# Altium PCB HORNET-1-IPG.PcbDoc (part 4 of 8)
Units mm, origin at the board's own origin, x right, y up, seen from the top; angles counter-clockwise.
Board outline 91.44 x 90.73 mm, 8 copper layers (TOP, AVERT, AHOR, GND, POWER, DVERT, DHOR, BOT), stack 0.686 mm thick; 726 components, 412 nets, 2077 pads, 2674 vias.
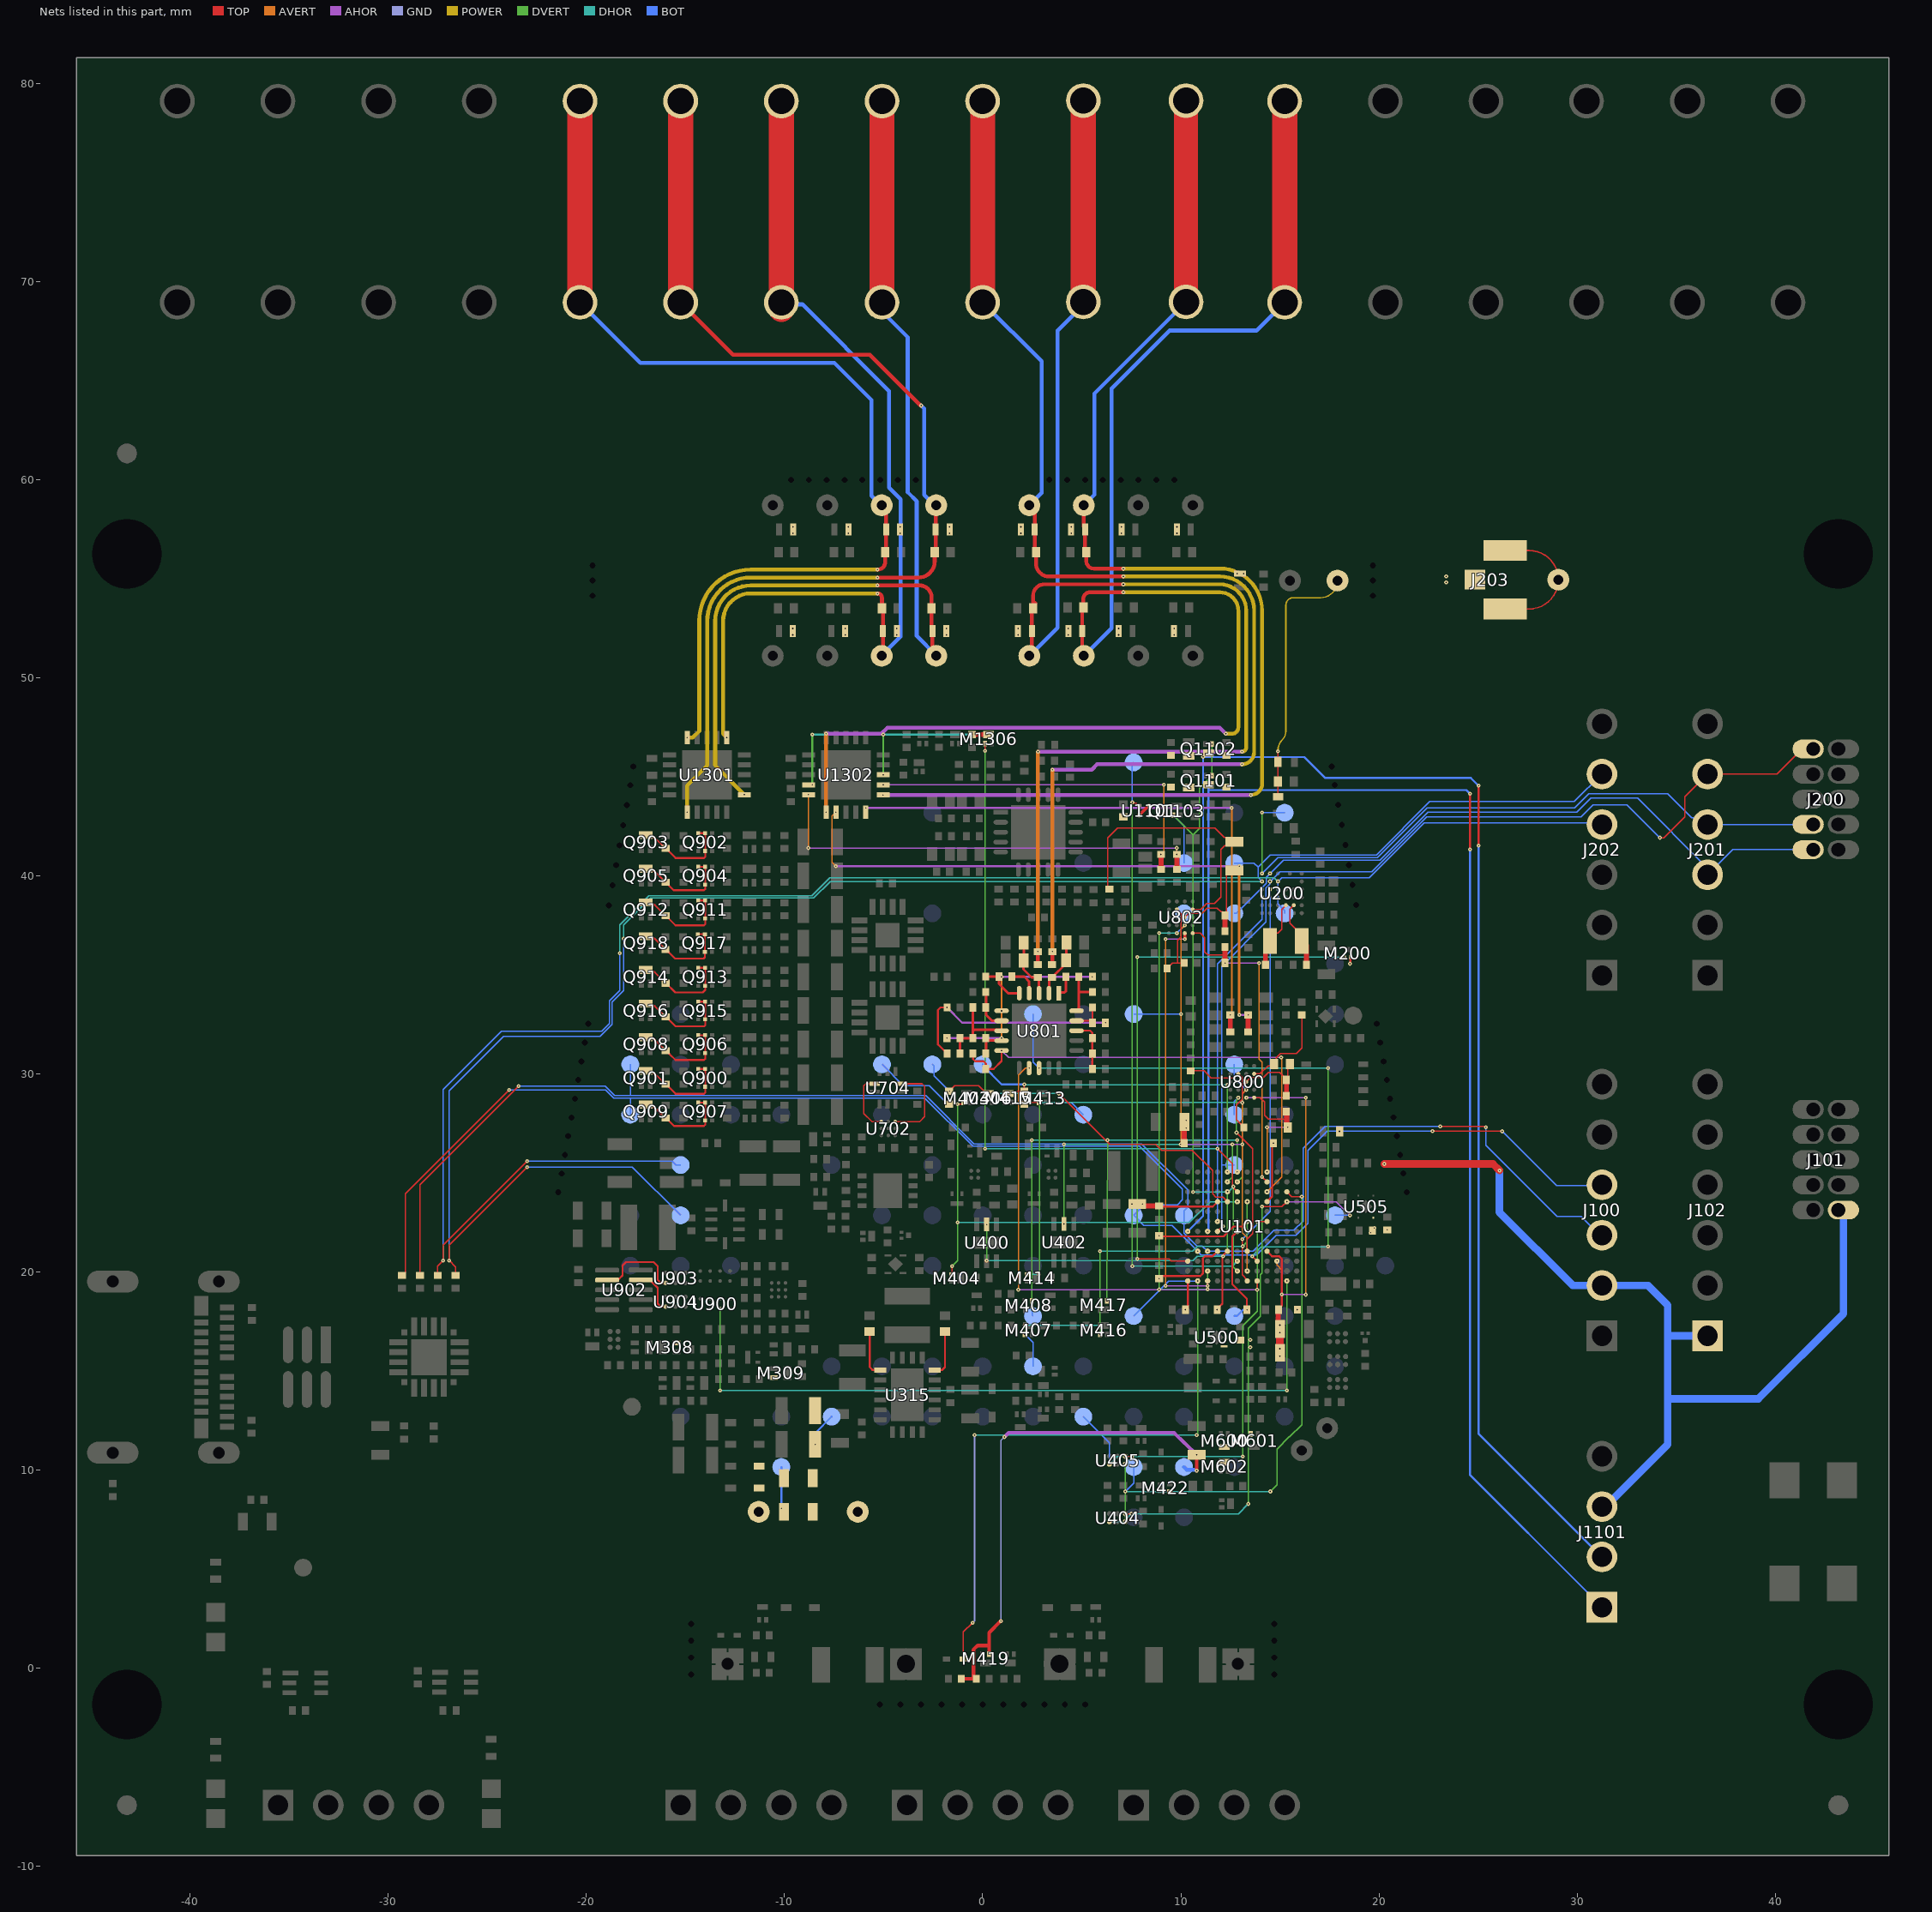
[diagram p10: the nets of this part, all layers, seen from the top]

## Part data (continued)
U501: "Boost, SEPIC Switching Regulator IC Positive Adjustable 1.23V 1 Output 75mA (Switch) SOT-23-5", Manufacturer="Linear Technology", Medical Grade MFR=TBD, Rating="100 mA", Supplier Part Number 1=505-LT1615ES5-1#TRPBFCT-ND, Category=IC, Length (mm)="2.80 ±0.20", Manufacturer Part Number=LT1615ES5-1#TRPBF, Medical Grade MFR PN=TBD, Package Description=TBD, PCB Footprint=TBD, Supplier 1=Digi-Key, Thickness (mm)=1.00, Width (mm)="2.95 ±0.15"
U503: "Digital potentiometer, 256 taps, 100k, I2C, QFN-10", Manufacturer=Renesas, Medical Grade MFR=TBD, Supplier Part Number 1=ISL23315TFRUZ-T7ACT-ND, Category=IC, Length (mm)=2.10, Manufacturer Part Number=ISL23315TFRUZ-T7A, Medical Grade MFR PN=TBD, Package Description=TBD, PCB Footprint=TBD, Rating=TBD, Supplier 1=Digi-Key, Thickness (mm)=0.55, Width (mm)=1.60
U505: "Reset Monitor, 2.63V, Active low, X2SON", Manufacturer="Texas Instruments", Medical Grade MFR=TBD, Rating=N/A, Supplier Part Number 1=296-40754-1-ND, Category=IC, Length (mm)="1.00 ±0.05", Manufacturer Part Number=TPS3831L30DQNR, Medical Grade MFR PN=TBD, Package Description=TBD, PCB Footprint=TBD, Supplier 1=Digi-Key, Thickness (mm)=0.40, Width (mm)="1.00 ±0.05"
U600: "Magnet Sensor, 15 Gauss, ULLGA4, Implant-grade", Manufacturer=NVE, Medical Grade MFR PN=BD020-14E, Package Description=TBD, Rating=N/A, Supplier Part Number 1=391-ADL021-14ECT-ND, Category=IC, Length (mm)=1.10, Manufacturer Part Number=ADL021-14E, Medical Grade MFR=NVE, PCB Footprint=TBD, Supplier 1=Digi-Key, Thickness (mm)=0.40, Width (mm)=1.10
U700 U701: "Multiplexer, 8:1, 0.7 ohms, QFN-16", Manufacturer=Maxim, Medical Grade MFR=TBD, Supplier Part Number 1=MAX4781ETE+TCT-ND, Category=IC, Length (mm)="3.00 ±0.10", Manufacturer Part Number=MAX4781ETE+T, Medical Grade MFR PN=TBD, Package Description=TBD, PCB Footprint=TBD, Rating=TBD, Supplier 1=Digi-Key, Thickness (mm)="0.75 ±0.05", Width (mm)="3.00 ±0.10"
U702: library part TLV9002SIYCKR_B, "Op Amp, Dual, Rail-to-Rail, 1MHz, BGA-9", Manufacturer="Texas Instruments", Medical Grade MFR=TBD, Rating=5.5V, Supplier Part Number 1=595-TLV9002SIYCKR, Category=IC, Length (mm)="0.95 ±0.03", Manufacturer Part Number=TLV9002SIYCKR, Medical Grade MFR PN=TBD, Package Description=TBD, PCB Footprint=TBD, Supplier 1=Mouser, Thickness (mm)=0.33, Width (mm)="0.95 ±0.03"
U703: "Differential Amplifier, 110 MHz, DFN-8", Manufacturer="Analog Devices", Medical Grade MFR=TBD, Supplier Part Number 1=505-AD8137YCPZ-REEL7CT-ND, Category=IC, Length (mm)="3.00 ±0.10", Manufacturer Part Number=AD8137YCPZ-REEL7, Medical Grade MFR PN=TBD, Package Description=TBD, PCB Footprint=TBD, Rating=TBD, Supplier 1=Digi-Key, Thickness (mm)="0.75 ±0.05", Width (mm)="3.00 ±0.10"
U704: "SPDT, 2 Func, 1 Channel, CMOS", Case/Package=VQCCN, Manufacturer="Analog Devices", Max Operating Temperature=85°C, Max Supply Voltage=3.6V, Min Operating Temperature=-40°C, Min Supply Voltage=2.7V, Nominal Supply Voltage=3.3V, On-state Resistance Match-Nom=40mR, On-state Resistance-Max (Ron)=8.8R, Package Shape=Rectangular, Package Style="CHIP CARRIER, VERY THIN PROFILEMeter", Peak Reflow Temperature (Cel)=260°C, Power Supplies=3/3.3V, Supplier Part Number 1=584-ADG772BCPZ-R7, Supply Current-Max (Isup)=1uA, Temperature Grade=INDUSTRIAL, Time @ Peak Reflow Temperature-Max (s)=40s, Category="Interface ICs", Channels=2, ComponentLink1Description=https://datasheet.ciiva.com:443/pdfs/VipMasterIC/IC/ANDI/ANDI-S-A0002823372/ANDI-S-A0002823372-1.pdf?src-supplier=IHS+Markit, ComponentLink1URL=https://datasheet.ciiva.com:443/pdfs/VipMasterIC/IC/ANDI/ANDI-S-A0002823372/ANDI-S-A0002823372-1.pdf?src-supplier=IHS+Markit, ComponentLink2Description=https://datasheet.ciiva.com/16230/adg772-246565-16230035.pdf?src-supplier=Mouser, ComponentLink2URL=https://datasheet.ciiva.com/16230/adg772-246565-16230035.pdf?src-supplier=Mouser, ComponentLink3Description=https://datasheet.ciiva.com/15127/getdatasheetpartid-305178-15127686.pdf?src-supplier=Verical, ComponentLink3URL=https://datasheet.ciiva.com/15127/getdatasheetpartid-305178-15127686.pdf?src-supplier=Verical, ComponentLink4Description=https://datasheet.ciiva.com/2980/adg772-2980261.pdf?src-supplier=Avnet, ComponentLink4URL=https://datasheet.ciiva.com/2980/adg772-2980261.pdf?src-supplier=Avnet, ComponentLink5Description=https://datasheet.ciiva.com/6638/adg772-6638955.pdf?src-supplier=Digi-Key, ComponentLink5URL=https://datasheet.ciiva.com/6638/adg772-6638955.pdf?src-supplier=Digi-Key, ComponentLink6Description=https://datasheet.ciiva.com/6638/adg772-6638957.pdf?src-supplier=Digi-Key, ComponentLink6URL=https://datasheet.ciiva.com/6638/adg772-6638957.pdf?src-supplier=Digi-Key, ComponentLink7Description=https://datasheet.ciiva.com/6638/adg772-6638958.pdf?src-supplier=Digi-Key, ComponentLink7URL=https://datasheet.ciiva.com/6638/adg772-6638958.pdf?src-supplier=Digi-Key, Height - Seated (Max)=0.6mm, JESD-609 Code=e4, Length=1.6mm, Manufacturer Part Number=ADG772BCPZ-REEL7, Moisture Sensitivity Level=1, Number of Channels=1, Off-state Isolation-Nom=73dB, Pins=10, Pricing="1=2,564, 10=2,288, 25=2,22, 100=1,902, 250=1,788, 500=1,61, 1000=1,321 (USD)", Qualification Status="Not Qualified", Reach SVHC Compliant=Yes, RoHS=Yes, RoHS Compliant=Yes, Stock=2157, Supplier="Arrow Electronics", Supplier 1=Mouser, Supplier Part Number=ADG772BCPZ-REEL7, Surface Mount=Yes, Switch-off Time-Max=9.5ns, Switch-on Time-Max=12.5ns, Switching=BREAK-BEFORE-MAKEV, Technology=CMOS, Terminal Finish=Nickel, Terminal Form="No Lead", Terminal Pitch=0.4mm, Terminal Position=QUAD, Throw Configuration=SPDT, Width=1.3mm
U800 U802: "Analog front end, ECG, RLD amp, BGA-20", Current supply=50uA, Manufacturer="Analog Devices", Medical Grade MFR=TBD, Supplier Part Number 1=505-AD8233ACBZ-R7CT-ND, Voltage supply=1.7-3.5V, Bandwidth=1kHz, Category=IC, CMRR=86dB, Gain=40dB, Length (mm)="2.04 ±0.04", Manufacturer Part Number=AD8233ACBZ-R7, Medical Grade MFR PN=TBD, Package Description=TBD, PCB Footprint=TBD, Rating=TBD, Supplier 1=Digi-Key, Thickness (mm)="0.50 ±0.06", Width (mm)="1.71 ±0.04"
U801 U803: "Analog Circuit, 1 Func, 1 Channel", Case/Package=HVQCCN, Current supply=170uA, Manufacturer="Analog Devices", Max Operating Temperature=85°C, Max Supply Voltage=3.5V, Min Operating Temperature=-40°C, Min Supply Voltage=2V, Nominal Supply Voltage=3V, Package Shape=Square, Package Style="CHIP CARRIER, HEAT SINK/SLUG, VERY THIN PROFILEMeter", Supplier Part Number=584-AD8232ACPZ-R7, Temperature Grade=INDUSTRIAL, Voltage supply=2-3.5V, Bandwidth=2kHz, Category="Amplifiers - Op Amps, Buffer, Instrumentation", Channels=1, CMRR=80dB, ComponentLink1Description=https://datasheet.ciiva.com:443/pdfs/VipMasterIC/IC/ANDI/ANDI-S-A0005264682/ANDI-S-A0005264682-1.pdf?src-supplier=IHS+Markit, ComponentLink1URL=https://datasheet.ciiva.com:443/pdfs/VipMasterIC/IC/ANDI/ANDI-S-A0005264682/ANDI-S-A0005264682-1.pdf?src-supplier=IHS+Markit, ComponentLink2Description=https://datasheet.ciiva.com/6579/ad8232-6579751.pdf?src-supplier=Digi-Key, ComponentLink2URL=https://datasheet.ciiva.com/6579/ad8232-6579751.pdf?src-supplier=Digi-Key, ComponentLink3Description=https://datasheet.ciiva.com/6579/ad8232-6579754.pdf?src-supplier=Digi-Key, ComponentLink3URL=https://datasheet.ciiva.com/6579/ad8232-6579754.pdf?src-supplier=Digi-Key, ComponentLink4Description=https://datasheet.ciiva.com/6579/ad8232-6579770.pdf?src-supplier=Digi-Key, ComponentLink4URL=https://datasheet.ciiva.com/6579/ad8232-6579770.pdf?src-supplier=Digi-Key, Gain=100V/V, Height - Seated (Max)=0.8mm, JESD-30 Code=S-XQCC-N20, Length=4mm, Manufacturer Part Number=AD8232ACPZ-R7, Pins=20, Pricing="1=4,71, 10=4,07, 50=4,07, 100=3,57, 1000=2,53, 10000=2,37 (USD)", Reach SVHC Compliant=Yes, RoHS=Yes, RoHS Compliant=Yes, Stock=3930, Supplier=Mouser, Supplier 1=Mouser, Supplier Part Number 1=584-AD8232ACPZ-R7, Surface Mount=Yes, Terminal Form="No Lead", Terminal Pitch=0.5mm, Terminal Position=QUAD, Throw Configuration="ANALOG CIRCUIT", Width=4mm
U900: "Monostable, RC set, dual triggers, BGA-8", Manufacturer="Texas Instruments", Medical Grade MFR=TBD, Supplier Part Number 1=296-21058-1-ND, Category=IC, Length (mm)="1.89 ±0.03", Manufacturer Part Number=SN74LVC1G123YZPR, Medical Grade MFR PN=TBD, Package Description=TBD, PCB Footprint=TBD, Rating=TBD, Supplier 1=Digi-Key, Thickness (mm)=0.50, Width (mm)="0.89 ±0.03"
U901: "AND gate, Dual 2-input, BGA-8", Manufacturer="Texas Instruments", Medical Grade MFR=TBD, Supplier Part Number 1=296-14371-1-ND, Category=IC, Length (mm)="1.89 ±0.03", Manufacturer Part Number=SN74LVC2G08YZPR, Medical Grade MFR PN=TBD, Package Description=TBD, PCB Footprint=TBD, Rating=TBD, Supplier 1=Digi-Key, Thickness (mm)=0.50, Width (mm)="0.89 ±0.03"
U902: "DAC, 16-bit, Dual channel, SPI/I2C, WSON-10", Manufacturer="Texas Instruments", Medical Grade MFR=N/A, Rating=2.7-5.5V, Supplier Part Number 1=296-DAC80502DRXTCT-ND, Category=IC, Length (mm)="2.50 ±0.10", Manufacturer Part Number=DAC80502DRXT, Medical Grade MFR PN=N/A, Package Description=N/A, PCB Footprint=N/A, Supplier 1=Digi-Key, Thickness (mm)="0.75 ±0.05", Width (mm)="2.50 ±0.10"
U903 U904 U1101: "Analog Switch, SPDT, 2:1, DSBGA6", Manufacturer="Texas Instruments", Medical Grade MFR=TBD, Rating=5.0V, Supplier Part Number 1=296-18671-1-ND, Category=IC, Length (mm)="1.39 ±0.03", Manufacturer Part Number=TS5A3159AYZPR, Medical Grade MFR PN=TBD, Package Description=TBD, PCB Footprint=TBD, Supplier 1=Digi-Key, Thickness (mm)="0.50 ±0.10", Width (mm)="0.89 ±0.03"
U905: "Op Amp, Dual, Rail-to-Rail, 1MHz, BGA-9", Manufacturer="Texas Instruments", Medical Grade MFR=TBD, Rating=5.5V, Supplier Part Number 1=296-TLV9002SIYCKRCT-ND, Category=IC, Length (mm)="0.95 ±0.03", Manufacturer Part Number=TLV9002SIYCKR, Medical Grade MFR PN=TBD, Package Description=TBD, PCB Footprint=TBD, Supplier 1=Digi-Key, Thickness (mm)=0.33, Width (mm)="0.95 ±0.03"
U1201: "IC USB TO UART BRIDGE QFN20", Manufacturer="Silicon Labs", Supplier Part Number 1=634-CP2102NA02QFN20R, Manufacturer Part Number=CP2102N-A02-GQFN20R, Supplier 1=Mouser
U1202 U1203: "Fixed Positive LDO Regulator, 3.7V, 0.375V Dropout, PDSO6", Case/Package=VSON, Manufacturer="Texas Instruments", Max Supply Voltage=5.5V, Min Input Voltage=2V, Operating Temperature, TJ-Max=125°C, Operating Temperature, TJ-Min=-40°C, Output Current1-Max=300mA, Output Voltage1-Max=3.774V, Output Voltage1-Min=3.626V, Output Voltage1-Nom=3.7V, Package Body Material=Plastic, Package Shape=Square, Package Style="SMALL OUTLINE, VERY THIN PROFILEMeter", Peak Reflow Temperature (Cel)=260°C, Supplier Part Number=296-TLV70237DSETCT-ND, Category="Voltage Regulators - Linear", Channels=1, ComponentLink1Description=https://www.ti.com:443/lit/ds/symlink/tlv702.pdf?src-supplier=IHS+Markit, ComponentLink1URL=https://www.ti.com:443/lit/ds/symlink/tlv702.pdf?src-supplier=IHS+Markit, ComponentLink2Description=http://www.ti.com/lit/ds/symlink/tlv702.pdf?src-supplier=Digi-Key, ComponentLink2URL=http://www.ti.com/lit/ds/symlink/tlv702.pdf?src-supplier=Digi-Key, ComponentLink3Description=http://www.ti.com/lit/ds/symlink/tlv70237.pdf?src-supplier=Avnet, ComponentLink3URL=http://www.ti.com/lit/ds/symlink/tlv70237.pdf?src-supplier=Avnet, Height - Seated (Max)=0.8mm, JESD-30 Code=S-PDSO-N6, JESD-609 Code=e4, Length=1.5mm, Manufacturer Part Number=TLV70237DSET, Moisture Sensitivity Level=1, Pins=6, Pricing="1=1,11, 10=0,992, 25=0,9416, 100=0,7736 (USD)", Reach SVHC Compliant=Yes, Regulator Type="FIXED POSITIVE SINGLE OUTPUT LDO REGULATOR", RoHS=Yes, RoHS Compliant=Yes, Stock=1935, Supplier=Digi-Key, Supplier 1=Digi-Key, Supplier Part Number 1=296-TLV70237DSETCT-ND, Surface Mount=Yes, Terminal Finish=Nickel, Terminal Form="No Lead", Terminal Pitch=0.5mm, Terminal Position=DUAL, Width=1.5mm
U1301 U1302: "IC SWITCH SPDTX4 4.5OHM 20LFCSP", Manufacturer="Analog Devices", Medical Grade MFR=N/A, Package Description=TBD, Supplier Part Number 1=505-ADG1634BCPZ-REEL7CT-ND, Category=IC, Length (mm)="4.00 ±0.10", Manufacturer Part Number=ADG1634BCPZ-REEL7, Medical Grade MFR PN=N/A, PCB Footprint=TBD, Rating=TBD, Supplier 1=Digi-Key, Thickness (mm)="0.75 ±0.05", Width (mm)="4.00 ±0.10"
X1 X2 X3 X4 X5 X6: "FIDUCIAL_MARK", Manufacturer PN=FIDUCIAL
X7 X8 X9: library part HOLE_UNPLATED, "Hole, Unplated"
Y100: "48 MHz Â±10ppm Crystal 10pF 100 Ohms 4-SMD, No Lead", Manufacturer="ECS Inc.", Medical Grade MFR=TBD, Package Description="4-SMD, No Lead", Rating=N/A, Supplier Part Number 1=XC3037CT-ND, Category=Crystal, Length (mm)=1.20, Manufacturer Part Number=ECS-480-10-48-CKY-TR, Medical Grade MFR PN=TBD, PCB Footprint=TBD, Supplier 1=Digi-Key, Thickness (mm)=0.33, Width (mm)=1.00
Y101 Y201: "CRYSTAL 32.7680KHZ 6PF SMD", Manufacturer="Micro Crystal", Medical Grade MFR PN=CC8V-T1A32.768kHz6.0pF±20ppmTAQM, Package Description=CC8V, Rating=N/A, Supplier Part Number 1=2195-CM8V-T1A-32.768KHZ-6PF-20PPM-TA-QCCT-ND, Category=Crystal, Length (mm)=2.00, Manufacturer Part Number=CM8V-T1A-32.768KHZ-6PF-20PPM-TA-QC, Medical Grade MFR="Micro Crystal", PCB Footprint=TBD, Review=020823, Status=Approved, Supplier 1=Digi-Key, Thickness (mm)=0.67, Width (mm)=1.20
Y200: "32 MHz Â±10ppm Crystal 10pF 100 Ohms 4-SMD, No Lead", Manufacturer="ECS Inc.", Medical Grade MFR=TBD, Package Description="4-SMD, No Lead", Rating=N/A, Supplier Part Number 1=XC3036CT-ND, Category=Crystal, Length (mm)=1.20, Manufacturer Part Number=ECS-320-10-48-CKY-TR, Medical Grade MFR PN=TBD, PCB Footprint=TBD, Supplier 1=Digi-Key, Thickness (mm)=0.33, Width (mm)=1.00

## Free pads (board coordinates)
  round 0 hole 0.3 unplated paste-2539.97 mask-10: 1(-21.417,24.025) 1(-21.25,24.969) 1(-21.082,25.913) 1(-20.915,26.857) 1(-20.747,27.802) 1(-20.58,28.746) 1(-20.412,29.69) 1(-20.245,30.634) 1(-20.077,31.578) 1(-19.909,32.525) 1(-19.685,54.135) 1(-19.685,54.897) 1(-19.685,55.659) 1(-18.861,38.506) 1(-18.681,39.517) 1(-18.488,40.543) 1(-18.319,41.539) 1(-18.139,42.55) 1(-17.958,43.561) 1(-17.777,44.571) 1(-17.623,45.512) 1(-14.706,-0.305) 1(-14.706,0.542) 1(-14.706,1.389) 1(-14.706,2.235) 1(-9.672,59.977) 1(-8.772,59.977) 1(-7.872,59.977) 1(-6.972,59.977) 1(-6.072,59.977) 1(-5.182,-1.829) 1(-5.172,59.977) 1(-4.272,59.977) 1(-4.146,-1.829) 1(-3.372,59.977) 1(-3.109,-1.829) 1(-2.073,-1.829) 1(-1.036,-1.829) 1(0,-1.829) 1(1.036,-1.829) 1(2.073,-1.829) 1(3.109,-1.829) 1(3.366,59.988) 1(4.146,-1.829) 1(4.266,59.977) 1(5.166,59.977) 1(5.182,-1.829) 1(6.066,59.977) 1(6.966,59.977) 1(7.866,59.977) 1(8.766,59.977) 1(9.666,59.977) 1(14.706,-0.305) 1(14.706,0.542) 1(14.706,1.389) 1(14.706,2.235) 1(17.606,45.521) 1(17.76,44.587) 1(17.941,43.576) 1(18.122,42.565) 1(18.302,41.554) 1(18.483,40.543) 1(18.664,39.532) 1(18.844,38.521) 1(19.69,54.135) 1(19.69,54.897) 1(19.69,55.659) 1(19.892,32.527) 1(20.06,31.579) 1(20.228,30.635) 1(20.395,29.691) 1(20.563,28.747) 1(20.73,27.803) 1(20.898,26.859) 1(21.065,25.915) 1(21.233,24.971) 1(21.4,24.027)
  round 0 hole 3.5 unplated paste-2539.97 mask+0.102: 2(-43.18,-1.829)
  round 1.2 hole 0.606 paste-2539.97 mask+0: 4(-12.879,0.221) 4(12.879,0.221)
  round 1.6 hole 0.912 paste-2539.97 mask+0: 4(-3.875,0.221) 4(3.875,0.221)

## Via types
v1: diameter 0.2, hole 0.07, TOP to GND, tented top, 631 vias
v2: diameter 0.2, hole 0.07, GND to BOT, tented bottom, 276 vias
v3: diameter 0.2, hole 0.07, TOP to AHOR, tented top, 245 vias
v4: diameter 0.2, hole 0.07, TOP to BOT, tented top, 216 vias
v5: diameter 0.2, hole 0.07, TOP to POWER, tented top, 159 vias
v6: diameter 0.2, hole 0.07, TOP to DHOR, tented top, 156 vias
v7: diameter 0.2, hole 0.07, DHOR to BOT, tented bottom, 134 vias
v8: diameter 0.2, hole 0.07, TOP to AVERT, tented top, 129 vias
v9: diameter 0.2, hole 0.07, TOP to DVERT, tented top, 111 vias
v10: diameter 0.2, hole 0.07, AVERT to AHOR, 100 vias
v11: diameter 0.2, hole 0.07, DVERT to DHOR, 89 vias
v12: diameter 0.2, hole 0.07, DVERT to DHOR, tented both sides, 86 vias
v13: diameter 0.2, hole 0.07, AHOR to GND, 81 vias
v14: diameter 0.2, hole 0.07, TOP to AVERT, tented both sides, 47 vias
v15: diameter 0.2, hole 0.07, AVERT to AHOR, tented both sides, 39 vias
v16: diameter 0.2/0.2/0.2/0.2 (per signal layer), hole 0.07, TOP to GND, tented both sides, 35 vias
v17: diameter 0.2, hole 0.07, GND to POWER, 28 vias
v18: diameter 0.2, hole 0.07, POWER to DVERT, 22 vias
v19: diameter 0.2, hole 0.07, TOP to BOT, tented both sides, 21 vias
v20: diameter 0.2, hole 0.07, TOP to POWER, tented both sides, 17 vias
v21: diameter 0.2, hole 0.07, TOP to BOT, tented bottom, 12 vias
v22: diameter 0.2, hole 0.07, GND to BOT, tented both sides, 9 vias
v23: diameter 0.2/0.2/0/0.2/0/0/0/0.2 (per signal layer), hole 0.07, TOP to BOT, tented both sides, 7 vias
v24: diameter 0.2/0/0/0/0.2 (per signal layer), hole 0.07, TOP to POWER, tented top, 5 vias
v25: diameter 0.2, hole 0.07, TOP to DVERT, 4 vias
v26: diameter 0.2, hole 0.07, TOP to AHOR, tented both sides, 3 vias
v27: diameter 0.2/0.2/0/0.2/0/0.2/0/0.2 (per signal layer), hole 0.07, TOP to BOT, tented both sides, 2 vias
v28: diameter 0.2, hole 0.07, TOP to GND, tented both sides, 1 vias
v29: diameter 0.2, hole 0.07, AHOR to GND, tented bottom, 1 vias
v30: diameter 0/0 (per signal layer), hole 0.07, GND to POWER, 1 vias
v31: diameter 0.2/0 (per signal layer), hole 0.07, AVERT to AHOR, 1 vias
v32: diameter 0/0 (per signal layer), hole 0.07, AHOR to GND, 1 vias
v33: diameter 0/0 (per signal layer), hole 0.07, POWER to DVERT, 1 vias
v34: diameter 0/0 (per signal layer), hole 0.07, DVERT to DHOR, 1 vias
v35: diameter 0/0.2 (per signal layer), hole 0.07, DHOR to BOT, tented bottom, 1 vias
v36: diameter 0.2, hole 0.07, AVERT to AHOR, tented top, 1 vias
v37: diameter 0.2/0/0/0.2/0/0/0/0.2 (per signal layer), hole 0.07, TOP to BOT, tented both sides, 1 vias

## Nets (pads, with @x,y where several pads share a name; then routed paths per layer and width w, separated by ;. In a path a pad name is that pad's centre, name@x,y a point inside that pad or via, vN(x,y) a via of type N, cw(c..) or ccw(c..) an arc to the next point about the centre after c; other vN are vias at no path point)
ACC.SCL: D1101.2 J1101.1 Q1101.3 R1101.2 R1102.1 U101.F10 | length 79.2
  TOP w0.1: v6(24.587,41.326) v6(24.587,44.145)
  BOT w0.1: v6(11.35,22.05) 11.4,22.1 11.4,23.484 11.4,25.8 v7(11.4,44.595) 11.4,44.322 18.996,44.322 19.051,44.322 24.41,44.322 v6(24.587,44.145) ; v6(24.587,41.326) 24.587,9.77 30.525,3.832 30.525,3.805 30.689,3.641 J1101.1@30.716,3.641
  other v6: 11.4,44.595
  other v7: 11.35,22.05 24.587,41.326 24.587,44.145
ACC.SDA: D1102.2 J1101.2 Q1102.3 R1103.2 R1104.1 U101.F12 | length 80.3
  TOP w0.1: v7(25.019,41.526) v6(25.019,44.552)
  BOT w0.1: v6(10.35,22.05) 11.125,22.825 v6(11.125,45.993) ; v7@11.132,45.993 16.228,45.993 17.288,44.933 24.638,44.933 v6(25.019,44.552) ; v7(25.019,41.526) 25.019,11.851 J1101.2@31.25,5.62
  other v6: 25.019,41.526
  other v7: 10.35,22.05 25.019,44.552 11.125,45.993
ACC_EN: TP1101.1 U101.C7 U1101.6 | length 31.3
  TOP w0.06: v7(7.553,43.7) 7.579,43.673 7.737,43.673 7.86,43.55 U1101.6@7.9,43.55
  DVERT w0.06: v12(7.553,20.303) v7(7.553,43.7)
  DHOR w0.06: v12(7.553,20.303) 12.603,20.303 v6(12.85,20.55)
  BOT w0.06: v7(7.553,43.7) 7.553,45.653 TP1101.1@7.62,45.72
  other v9: 7.553,43.7
  other v11: 7.553,43.7
AMPA: U702.A1 U704.2 | length 3
  TOP w0.07: U704.2@-5.453,29.5 -5.9,29.5 -6,29.4 -6,28 -5.595,27.595 -5.415,27.595 U702.A1@-5.115,27.595
AMPB: U702.A3 U704.8 | length 4.4
  TOP w0.07: U702.A3@-4.414,27.595 -3.281,27.595 -3.171,27.595 -2.925,27.841 -2.925,29.373 -3.052,29.5 U704.8@-4.148,29.5
AMPL_RSTn: U101.A2 U900.3 | length 38.3
  DVERT w0.06: v12(-13.25,14.021) -13.25,17.8 v9(-13.25,18.15) ; v12(15.35,14.021) 15.35,18.8 v9(15.35,19.55)
  DHOR w0.06: v12(-13.25,14.021) 5.08,14.021 12.497,14.021 v12(15.35,14.021)
ANT+: C201.2 J203.1 J419.1 L200.2 L201.2 | length 13
  TOP w0.076: L200.2@14.9,43.988 C201.2@14.9,44.753 L201.2@14.9,45.746 v5(14.9,46.275)
  POWER w0.071: v5@14.9,46.322 cw(c15.675,46.322) 15.127,46.87 ccw(c14.704,47.293) 15.302,47.293 15.302,47.957 ; 15.302,53.373 15.302,53.663 cw(c15.673,53.663) 15.673,54.033 17.051,54.033 ccw(c17.051,54.888) 17.905,54.888 J419.1@17.905,54.897
  POWER w0.091: 15.302,47.957 15.302,53.373
  other v8: 23.393,54.811 23.393,55.111
  other v10: 23.393,54.811 23.393,55.111
  other v13: 23.393,54.811 23.393,55.111
ANT-: J203.2 J203.3 J418.1 | length 7.1
  TOP w0.076: J203.2@26.366,53.465 27.576,53.465 ccw(c27.576,54.94) J418.1@29.051,54.94 ccw(c27.576,54.94) 27.576,56.415 J203.3@26.366,56.415
B1: Q900.2 Q900.3 Q900.5 Q901.3 R900.2 | length 5.4
  TOP w0.1: Q901.3@-17,30.15 -16.884,30.034 -16.559,30.034 -16.15,29.625 -16.15,29.6 -16.025,29.475 -15.975,29.475 -15.5,29 -14.059,29 -14,29.059 Q900.2@-14,30.25 Q900.3@-14.35,30.25 ; Q900.3@-14.365,30.25 Q900.2@-14.015,30.25
B2: Q902.2 Q902.3 Q902.5 Q903.3 R905.2 | length 6.1
  TOP w0.1: Q903.3@-17,42.05 -16.884,41.934 -16.559,41.934 -16.15,41.525 -16.15,41.5 -16.025,41.375 -15.975,41.375 -15.5,40.9 -14.059,40.9 -14,40.959 Q902.5@-14,41.25 Q902.2@-14,42.15 Q902.3@-14.35,42.15 ; Q902.3@-14.365,42.15 Q902.2@-14.015,42.15 ; Q902.3@-14.365,42.15 Q902.2@-14.015,42.15 ; Q902.3@-14.365,42.15 Q902.2@-14.015,42.15
B3: Q904.2 Q904.3 Q904.5 Q905.3 R913.2 | length 5.3
  TOP w0.1: Q905.3@-17,40.35 -16.884,40.234 -16.559,40.234 -16.15,39.825 -16.15,39.8 -16.025,39.675 R913.2@-16,39.675 -15.975,39.675 -15.85,39.55 -15.85,39.525 -15.595,39.27 -14.059,39.27 -14,39.329 Q904.2@-14,40.45 Q904.3@-14.35,40.45 ; Q904.3@-14.365,40.45 Q904.2@-14.015,40.45
B4: Q906.2 Q906.3 Q906.5 Q908.3 R918.2 | length 5.4
  TOP w0.1: Q908.3@-17,31.85 -16.884,31.734 -16.559,31.734 -16.15,31.325 -16.15,31.3 -16.025,31.175 -15.975,31.175 -15.8,31 -15.5,30.7 -14.059,30.7 -14,30.759 Q906.5@-14,31.05 Q906.2@-14,31.95 Q906.3@-14.35,31.95 ; Q906.3@-14.365,31.95 Q906.2@-14.015,31.95
B5: Q911.2 Q911.3 Q911.5 Q912.3 R932.2 | length 5.4
  TOP w0.1: Q912.3@-17,38.65 -16.884,38.534 -16.559,38.534 -16.15,38.125 -16.15,38.1 -16.025,37.975 -15.975,37.975 -15.5,37.5 -14.059,37.5 -14,37.559 Q911.5@-14,37.85 Q911.2@-14,38.75 Q911.3@-14.35,38.75 ; Q911.3@-14.365,38.75 Q911.2@-14.015,38.75
B6: Q913.2 Q913.3 Q913.5 Q914.3 R937.2 | length 5
  TOP w0.1: Q914.3@-17,35.25 -16.884,35.134 -16.559,35.134 -16.15,34.725 -16.15,34.7 -16.025,34.575 -15.975,34.575 -15.51,34.11 -14.129,34.11 -14,34.239 Q913.5@-14,34.45 Q913.2@-14,35.35 Q913.3@-14.35,35.35
B7: Q915.2 Q915.3 Q915.5 Q916.3 R942.2 | length 5.4
  TOP w0.1: Q916.3@-17,33.55 -16.884,33.434 -16.559,33.434 -16.15,33.025 -16.15,33 -16.025,32.875 -15.975,32.875 -15.5,32.4 -14.059,32.4 -14,32.459 Q915.5@-14,32.75 Q915.2@-14,33.65 Q915.3@-14.35,33.65 ; Q915.3@-14.365,33.65 Q915.2@-14.015,33.65
B8: Q917.2 Q917.3 Q917.5 Q918.3 R947.2 | length 5.9
  TOP w0.1: Q918.3@-17.003,36.95 -16.887,36.834 -16.562,36.834 -16.153,36.425 R947.2@-16.153,36.4 ; Q917.3@-14.368,37.05 Q917.2@-14.018,37.05 Q917.5@-14.018,36.15 -14.018,35.88 -14.077,35.821 -15.518,35.821 -15.846,36.15 R947.2@-15.903,36.15 ; R947.2@-16.153,36.4 R947.2@-16.016,36.263 ; R947.2@-16.153,36.4 R947.2@-16.016,36.262 ; R947.2@-16.153,36.4 R947.2@-16.016,36.263 ; R947.2@-16.153,36.4 R947.2@-15.903,36.15 ; R947.2@-16.016,36.263 R947.2@-15.903,36.15 ; R947.2@-16.016,36.262 R947.2@-15.903,36.15
B17: Q907.2 Q907.3 Q907.5 Q909.3 R921.2 | length 5.3
  TOP w0.1: Q909.3@-17,28.45 -16.869,28.319 -16.569,28.319 -16.025,27.775 -15.975,27.775 -15.57,27.37 -14.069,27.37 -14,27.439 Q907.2@-14,28.55 Q907.3@-14.35,28.55 ; Q907.3@-14.365,28.55 Q907.2@-14.015,28.55
BATT.MON1: TP428.1 U101.J2 U404.A1 U404.C2 | length 28.6
  TOP w0.06: U404.A1@7.2,7.8 v6(7.508,7.8) ; v9(14.1,23.296) 15.096,23.296 v10(15.35,23.55)
  AHOR w0.06: v10(15.35,23.55) 17.852,23.55 v7(18.542,22.86)
  DVERT w0.06: v11(13.4,8.3) 13.4,17.154 14.02,17.775 14.02,18.8 14.02,19.861 14.1,19.941 v9(14.1,23.296)
  DHOR w0.06: v6(6.4,7.4) 7.108,7.4 v6(7.508,7.8) 12.9,7.8 v11(13.4,8.3)
  BOT w0.06: TP428.1@17.78,22.86 v7(18.542,22.86)
  other v8: 15.35,23.55
  other v11: 18.542,22.86
  other v13: 18.542,22.86
  other v17: 18.542,22.86
  other v18: 18.542,22.86
BATT.MON2: TP429.1 U101.G4 U405.A1 U405.C2 | length 22.8
  TOP w0.06: U405.A1@7.2,10.7 7.202,10.698 7.548,10.698 v6(7.55,10.696) ; v9(13.85,22.55) U101.G4@14.35,22.55
  DVERT w0.06: v11(13.125,10.696) 13.125,17.297 13.853,18.024 13.853,18.8 13.853,22.548 v9(13.85,22.55)
  DHOR w0.06: v7(6.4,10.3) 6.796,10.696 v6(7.55,10.696) v11(13.125,10.696)
  BOT w0.06: TP429.1@5.08,12.7 6.4,11.38 v7(6.4,10.3)
  other v6: 6.4,10.3
BATT.MON_EN: M422.1 TP430.1 U101.K2 U404.A2 U405.A2 | length 28
  TOP w0.06: U101.K2@15.35,24.05 15.6,23.8 v9(16.1,23.8)
  DVERT w0.06: v9(7.2,7.4) v11(7.2,8.925) v9(7.2,10.3) ; v11(14.518,8.925) 14.853,9.26 14.853,11.062 15.472,11.681 15.481,11.681 16.1,12.3 v9(16.1,23.8)
  DHOR w0.06: v11(7.2,8.925) v6(9.44,8.925) v11(14.518,8.925)
  BOT w0.06: v11(7.2,8.925) 7.62,9.345 TP430.1@7.62,10.16
  other v7: 7.2,8.925
BATT.SW_EN: D422.2 TP426.1 U101.A11 | length 34.6
  TOP w0.06: D422.2@-0.98,0.471 -0.975,0.476 -0.975,1.832 v17(-0.514,2.293) ; v7(10.85,19.548) U101.A11@10.85,19.55
  DVERT w0.06: v12@10.8,11.748 10.85,11.798 v7(10.85,19.548)
  GND w0.075: v17(-0.514,2.293) -0.496,2.293 -0.452,2.337 -0.452,2.346 -0.408,2.39 -0.408,3.759 -0.408,5.778 v2(-0.41,11.778)
  DHOR w0.06: v2(-0.41,11.778) 10.732,11.778 10.762,11.748 v12@10.8,11.748
  BOT w0.06: TP426.1@7.62,17.78 9.389,19.549 10.849,19.549 v7(10.85,19.548)
  other v1: -0.514,2.293
  other v9: 10.85,19.548
  other v11: 10.85,19.548
  other v12: 10.8,11.778
BATT_SW: C600.1 M419.1 M600.3 M602.3 R421.2 R422.2 TP427.1 | length 26.2
  TOP w0.191: R421.2@-1.075,-0.529 R422.2@-0.47,-0.529 ; R422.2@-0.325,-0.529 R422.2@-0.47,-0.529 ; M419.1@0.326,0.711 0.326,1.156 ; v1(0.914,2.388) 0.326,1.799 0.326,1.156 ; v7(10.8,9.975) v3(10.8,10.775) ; R422.2@-0.47,-0.529 -0.47,0.937 -0.251,1.156 0.326,1.156
  AHOR w0.191: v13(1.09,11.673) 1.308,11.891 9.656,11.891 v3(10.8,10.775)
  GND w0.075: v1(0.914,2.388) 0.92,2.393 0.92,11.503 v13(1.09,11.673)
  BOT w0.191: TP427.1@10.16,10.16 10.296,10.024 10.748,10.024 10.797,9.975 v7(10.8,9.975)
  other v6: 10.8,9.975
BLE_P.1: U101.A6 U200.F3 | length 20.4
  TOP w0.06: v6(13.1,21.656) 13.1,19.854 13.35,19.604 U101.A6@13.35,19.55
  BOT w0.06: v6(13.1,21.656) 14.5,23.056 14.5,25.8 14.5,37.872 v6(14.5,39.312)
  other v7: 13.1,21.656 14.5,39.312
BLE_P.2: U101.G9 U200.G4 | length 17.3
  TOP w0.06: U101.G9@11.85,22.55 v7(11.852,22.55)
  BOT w0.06: v7(11.852,22.55) 11.852,35.55 14.1,37.798 v6(14.1,38.912)
  other v6: 11.852,22.55
  other v7: 14.1,38.912
BLE_PWRn: M200.1 U101.C12 | length 28.3
  TOP w0.06: v9(7.8,20.665) 9.401,20.665 9.516,20.55 U101.C12@10.35,20.55
  DVERT w0.06: v9(7.8,20.665) v12(7.8,35.9)
  DHOR w0.06: v12(7.8,35.9) v6(18.25,35.895)
BLE_RSTn: J200.10 J201.5 TP203.1 U101.F9 U200.F2 | length 51.4
  TOP w0.06: U101.F9@11.85,22.05 11.859,22.05 12.116,22.307 v7(12.125,22.307) ; v7(34.171,41.921) 34.377,41.921 35.433,42.977 35.433,43.982 J201.5@36.58,45.129 ; J201.5@36.83,45.129 40.074,45.129 41.344,46.399 J200.10@41.91,46.399
  BOT w0.06: v7(12.125,22.307) 12.125,22.343 12.055,22.413 12.055,25.399 ; TP203.1@12.7,25.4 12.055,25.399 ; v7(34.171,41.921) 32.505,43.586 30.81,43.586 30.201,42.977 22.407,42.977 19.642,40.211 18.996,40.211 16.33,40.211 14.999,40.211 v6(14.5,39.712) 14.488,39.699 14.488,39.575 14.3,39.388 14.3,37.675 12.055,35.43 12.055,25.399
  other v6: 12.125,22.307 34.171,41.921
  other v7: 14.5,39.712
BLE_SWDCLK: J200.4 J201.4 TP201.1 U200.G1 | length 34.1
  DVERT w0.06: v6(14.1,40.112) v7(14.1,43.18)
  BOT w0.06: v6(14.1,40.112) 14.901,40.912 19.912,40.912 22.434,43.434 29.87,43.434 30.582,44.145 34.569,44.145 35.788,42.926 35.84,42.926 36.177,42.589 J201.4@36.58,42.589 ; v7(14.1,43.18) TP201.1@15.24,43.18 ; J201.4@36.83,42.589 J200.4@41.91,42.589
  other v7: 14.1,40.112
  other v11: 14.1,43.18
BLE_SWDIO: J200.2 J201.3 TP202.1 U200.F1 | length 33.8
  BOT w0.06: TP202.1@12.7,38.1 12.802,38.1 14.311,39.61 14.311,39.923 v7(14.5,40.112) 15.181,40.792 20.053,40.792 22.466,43.205 29.972,43.205 30.683,43.917 33.045,43.917 J201.3@36.58,40.382 ; J201.3@36.58,40.049 37.85,41.319 J200.2@41.91,41.319
  other v6: 14.5,40.112
BLE_UART.RX: J202.4 R1200.1 TP205.1 TP1200.1 U200.E2 | length 92.5
  TOP w0.06: R1200.1@-27.5,19.825 -27.5,20.306 v6(-27.229,20.577) -27.229,21.353 v7(-22.979,25.603)